# Altium PCB MCU021_V1.0_PCB.PcbDoc (part 1 of 3) (continued)
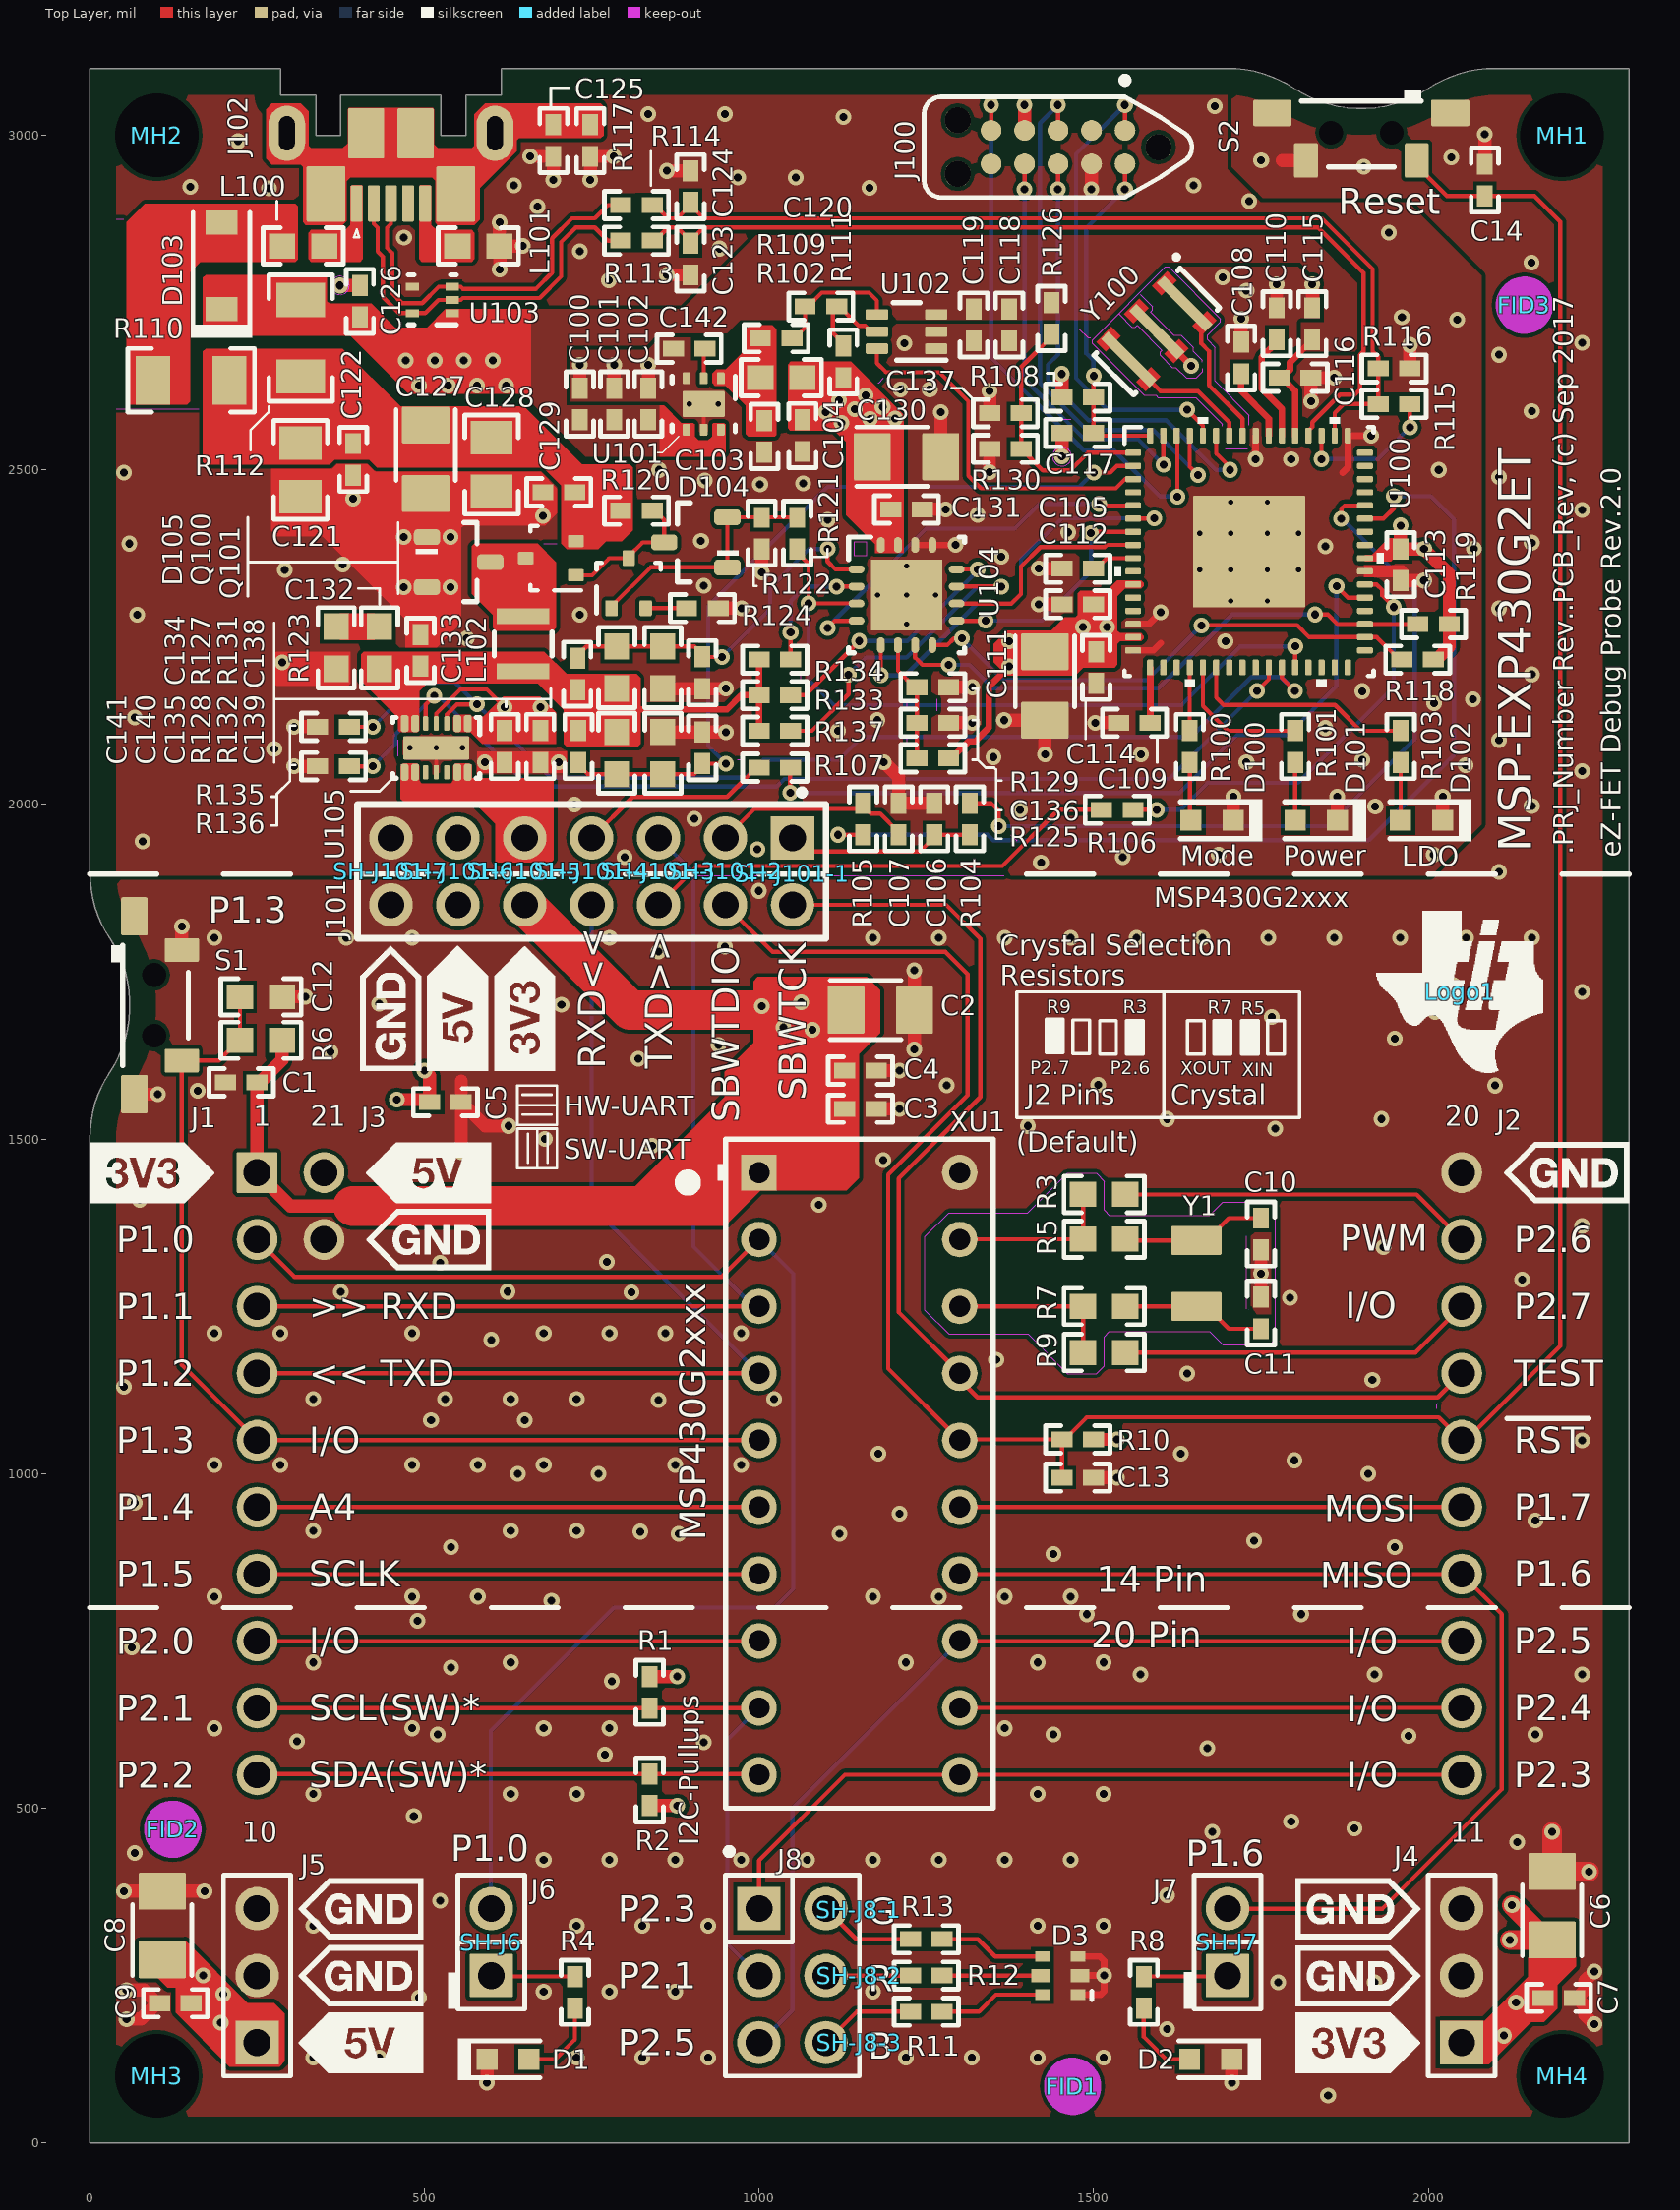
[diagram p0: Top Layer view]
## Footprints (in the part's own frame and the unit in brackets; to place one, negate y for a bottom-side part, rotate by r counter-clockwise, add the part's x,y. Pads: shape width x height; smd on the part's side, far side on the other; paste and mask are expansions set on the pad)
19-337_RGB [mm] "SMD, 6-Leads, Body 1.6x1.6mm"
  rect 0.55x0.4 smd: 1(-0.675,0.725) 3(-0.675,-0.725) 4(0.675,0.725) 6(0.675,-0.725)
  rect 0.7x0.5 smd: 2(-0.75,0) 5(0.75,0)
  silkscreen extent -1.2,0.6 -1.2,0.9, body extent -0.85,-0.85 0.85,0.85, height 0.35
0402 [mm] "0402 from SM-752 data"
  rect 0.8x0.6 smd: 1(-0.6,0) 2(0.6,0)
  silkscreen extent -1.22,-0.52 1.22,0.52, body extent -0.55,-0.3 0.55,0.3, height 0.6
0603 [mm] "0603 from SM-752 data"
  rect 1x0.95 smd: 1(-0.8,0) 2(0.8,0)
  silkscreen extent -1.52,-0.69 1.52,0.69, body extent -0.87,-0.47 0.87,0.47, height 1
0805_HV [mil] "0805 with 30mil clearance between pads"
  rect 50x63 smd: 1(-40,0) 2(40,0)
  silkscreen extent -74,-40 74,40, body extent -43,-29 43,29, height 57
1206 [mm] "1206 from SM-752 data"
  rect 1.3x1.85 smd: 1(-1.45,0) 2(1.45,0)
  silkscreen extent -2.4,-1.21 2.4,1.21, body extent -1.7,-0.9 1.7,0.9, height 1.35
3216-18 [mm] "Based on AVX recommendation in http://www.avx.com/download/software/literature/AVX-Footprint-Library.pdf"
  rrect7% 1.4x1.8 smd: 1(-1.3,0) 2(1.3,0)
  silkscreen extent -1.9,-1.13 0.8,1.12, body extent -1.7,-0.9 1.7,0.9, height 1.82
AssemblyNote [mil] "Assembly Note"
BoosterPack_20pin_J1 [mm] "Receptacle, 2.54mm, 10x1, TH"
  rrect6% 1.55x1.55 hole 1.02: 1(0,11.43)
  round 1.55 hole 1.02: 2(0,8.89) 3(0,6.35) 4(0,3.81) 5(0,1.27) 6(0,-1.27) 7(0,-3.81) 8(0,-6.35) 9(0,-8.89) 10(0,-11.43)
  silkscreen extent -1.21,-12.95 6.35,12.95, body extent -1.21,-12.95 1.21,12.95, height 8.51
BoosterPack_20pin_J2 [mm] "Receptacle, 2.54mm, 10x1, TH"
  round 1.55 hole 1.02: 11(0,-11.43) 12(0,-8.89) 13(0,-6.35) 14(0,-3.81) 15(0,-1.27) 16(0,1.27) 17(0,3.81) 18(0,6.35) 19(0,8.89) 20(0,11.43)
  silkscreen extent -6.35,-12.95 1.21,12.95, body extent -1.21,-12.95 1.21,12.95, height 8.51
BoosterPack_20pin_J3 [mm] "Receptacle, 2.54mm, 2x1, TH"
  round 1.55 hole 1.02: 21(0,1.27) 22(0,-1.27)
  silkscreen extent -6.35,-2.79 1.21,2.79, body extent -1.21,-2.79 1.21,2.79, height 8.51
CBC2518 [mm] "Taiyo Yuden"
  rect 0.6x2 smd: 1(-1.05,0) 2(1.05,0)
  silkscreen extent -0.45,-1.1 0.45,1.1, body extent -1.35,-1 1.35,1, height 2
CE_Mark_5mm [mil] "Minimum text height for CE Mark"
  silkscreen extent -138,-98 138,98
DCK0006A_N [mm] "SOT23, 6-Leads, Body 2x1.3mm, Pitch 0.65mm, Lead Span 2.1mm, IPC Medium Density"
  rrect25% 0.85x0.4 smd: 1(-1.125,0.65) 2(-1.125,0) 3(-1.125,-0.65) 4(1.125,-0.65) 5(1.125,0) 6(1.125,0.65)
  silkscreen extent -1.5,-1.09 0.51,1.09, body extent -1.14,-1 1.14,1, height 0.95
DPU0014A [mm] "SON-14"
  rrect67% 0.65x0.3 smd paste-0.05 mask-0.05: 1(-0.925,1.2) 2(-0.925,0.8) 6(-0.925,-0.8) 7(-0.925,-1.2) 8(0.925,-1.2) 9(0.925,-0.8) 13(0.925,0.8) 14(0.925,1.2)
  rrect50% 0.55x0.2 smd: 3(-0.925,0.4) 4(-0.925,0) 5(-0.925,-0.4) 10(0.925,-0.4) 11(0.925,0) 12(0.925,0.4)
  rrect12% 0.85x1.11 on Top Paste: 15(0,0.655) 15(0,-0.655)
  rrect11% 0.9x2.5 smd paste-0.5: 15(0,0)
  Top Layer region: -0.6,0.75 -0.6,1.25 -0.613,1.3 -0.65,1.337 -0.7,1.35 -0.7,1.35 -1.15,1.35 -1.188,1.342 -1.221,1.321 -1.242,1.288 -1.25,1.25 -1.25,1.25 -1.25,0.75 -1.242,0.712 -1.221,0.679 -1.188,0.658 -1.15,0.65 -1.15,0.65 -0.7,0.65 -0.662,0.658 -0.629,0.679 -0.608,0.712 -0.6,0.75
  Top Layer region: -0.6,-0.75 -0.6,-1.25 -0.613,-1.3 -0.65,-1.337 -0.7,-1.35 -0.7,-1.35 -1.15,-1.35 -1.188,-1.342 -1.221,-1.321 -1.242,-1.288 -1.25,-1.25 -1.25,-1.25 -1.25,-0.75 -1.242,-0.712 -1.221,-0.679 -1.188,-0.658 -1.15,-0.65 -1.15,-0.65 -0.7,-0.65 -0.662,-0.658 -0.629,-0.679 -0.608,-0.712 -0.6,-0.75
  Top Layer region: 0.6,-0.75 0.6,-1.25 0.613,-1.3 0.65,-1.337 0.7,-1.35 0.7,-1.35 1.15,-1.35 1.188,-1.342 1.221,-1.321 1.242,-1.288 1.25,-1.25 1.25,-1.25 1.25,-0.75 1.242,-0.712 1.221,-0.679 1.188,-0.658 1.15,-0.65 1.15,-0.65 0.7,-0.65 0.662,-0.658 0.629,-0.679 0.608,-0.712 0.6,-0.75
  Top Layer region: 0.6,0.75 0.6,1.25 0.613,1.3 0.65,1.337 0.7,1.35 0.7,1.35 1.15,1.35 1.188,1.342 1.221,1.321 1.242,1.288 1.25,1.25 1.25,1.25 1.25,0.75 1.242,0.712 1.221,0.679 1.188,0.658 1.15,0.65 1.15,0.65 0.7,0.65 0.662,0.658 0.629,0.679 0.608,0.712 0.6,0.75
  silkscreen extent -1.15,-1.65 1.15,1.65, body extent -1.05,-1.55 1.05,1.55, height 0.8
DRL0005A [mm] "SOTFL, 5-Flat Leads, Body 1.2x1.6x0.6mm, Pitch 0.5mm, TI recommended"
  rect 0.5x0.3 smd: 1(-0.75,0.5) 2(-0.75,0) 3(-0.75,-0.5) 4(0.75,-0.5) 5(0.75,0.5)
  silkscreen extent -0.9,-0.95 0.9,0.95, body extent -0.85,-0.85 0.85,0.85, height 0.62
DRV0006A [mm] "SON, 6-Leads, Body 2x2mm, Pitch 0.65mm, Thermal Pad 1.6x1mm, TI Recommended"
  rrect33% 0.45x0.3 smd: 1(-0.975,0.65) 2(-0.975,0) 3(-0.975,-0.65) 4(0.975,-0.65) 5(0.975,0) 6(0.975,0.65)
  rrect14% 1x0.7 on Top Paste: 7(0,0.45) 7(0,-0.45)
  rrect10% 1x1.6 smd paste-0.5: 7(0,0)
  silkscreen extent -1.05,-1.2 1.05,1.2, body extent -1.05,-1.05 1.05,1.05, height 0.81
ECS_ECX_31B [mm] "SMD, 2-Leads, Body 3.2x1.5mm"
  rrect9% 1.1x1.9 smd: 1(-1.25,0) 2(1.25,0)
  body extent -1.6,-0.75 1.6,0.75, height 0.9
ESD_Overlay_Medium [mil]
  silkscreen extent -127,-109 125,110
FCC_disclaimer [mil]
Fiducial6.4-20 [mil]
  round 25 smd mask+26.87: 1(0,0)
  Top Layer keep-out circle w46.37: c0,0 r19.68
KY_MAE-10 [mm] "Spacer Nylon Support"
  round 2.8 hole 3 unplated mask+0.102: ""(0,0)
  body extent -3.19,-2.75 3.19,2.75, height 10
Mill-Max_110-xx-320-41-001000 [mm] "DIP-20, Body 25.3x10.1mm, Pitch 2.54mm"
  rect 1.35x1.35 hole 0.8: 1(-3.81,11.43)
  round 1.35 hole 0.8: 2(-3.81,8.89) 3(-3.81,6.35) 4(-3.81,3.81) 5(-3.81,1.27) 6(-3.81,-1.27) 7(-3.81,-3.81) 8(-3.81,-6.35) 9(-3.81,-8.89) 10(-3.81,-11.43) 11(3.81,-11.43) 12(3.81,-8.89) 13(3.81,-6.35) 14(3.81,-3.81) 15(3.81,-1.27) 16(3.81,1.27) 17(3.81,3.81) 18(3.81,6.35) 19(3.81,8.89) 20(3.81,11.43)
  silkscreen extent -5.37,-12.7 5.08,12.7, body extent -5.08,-12.7 5.08,12.7, height 4.19
Molex_1051640001 [mm] "Receptacle, USB 2.0, Micro B, 5 Pos, 0.65mm Pitch, R/A, SMT"
  rrect22% 0.45x1.38 smd: 1(1.3,4.11) 2(0.65,4.11) 3(0,4.11) 4(-0.65,4.11) 5(-1.3,4.11)
  rrect7% 1.475x2.1 smd: 6(-2.462,3.75) 11(2.462,3.75)
  rrect100% 1.4x2.1 hole 0.6 slot 1.3 at 90 deg: 7(-3.95,1.45) 10(3.95,1.45)
  rrect7% 1.375x1.9 smd: 8(-0.937,1.45) 9(0.937,1.45)
  silkscreen extent 1.2,5.1 1.4,5.4, body extent -4.1,-0.7 4.1,4.47, height 2.45
Murata_CSTCR [mm] "Murata"
  rect 0.4x2.6 smd mask+0.051: 1(-1.5,0) 2(0,0) 3(1.5,0)
  Top Layer region: -1.9,0.8 -1.1,0.8 -1.1,1.3 -1.9,1.3
  Top Layer region: -0.4,0.8 0.4,0.8 0.4,1.3 -0.4,1.3
  Top Layer region: 1.1,0.8 1.9,0.8 1.9,1.3 1.1,1.3
  Top Layer region: -1.9,-1.35 -1.9,-0.85 -1.1,-0.85 -1.1,-1.35
  Top Layer region: -0.4,-1.35 -0.4,-0.85 0.4,-0.85 0.4,-1.35
  Top Layer region: -0.4,-1.35 -0.4,-0.85 0.4,-0.85 0.4,-1.35
  Top Layer region: -1.9,-1.35 -1.9,-0.85 -1.1,-0.85 -1.1,-1.35
  Top Layer region: 1.1,-1.35 1.1,-0.85 1.9,-0.85 1.9,-1.35
  Top Layer region: 1.1,-1.35 1.1,-0.85 1.9,-0.85 1.9,-1.35
  silkscreen extent -2.61,-1.56 2.32,1.08, body extent -2.3,-1.05 2.3,1.05, height 1.2
NPTH125mil [mil]
  round 120 hole 125 unplated mask+15: 1(0,0)
Pb-Free_Overlay_Medium [mil]
  silkscreen extent -95,-95 95,95
PEC03SAAN_Launchpad_3V3 [mm] "SULLINS"
  rect 1.65x1.65 hole 1.016: 1(-2.54,0)
  round 1.65 hole 1.016: 2(0,0) 3(2.54,0)
  silkscreen extent -3.81,-1.27 3.81,6.3, body extent -3.84,-1.3 3.84,1.3, height 8.38
PEC03SAAN_Launchpad_5V0 [mm] "SULLINS"
  rect 1.65x1.65 hole 1.016: 1(-2.54,0)
  round 1.65 hole 1.016: 2(0,0) 3(2.54,0)
  silkscreen extent -3.81,-6.31 3.81,1.27, body extent -3.84,-1.3 3.84,1.3, height 8.38
PEC07DAAN_Launchpad_EZ-FET [mil] "Sullins"
  rect 64.96x64.96 hole 40: 1(-300,-50)
  round 64.96 hole 40: 2(-300,50) 3(-200,-50) 4(-200,50) 5(-100,-50) 6(-100,50) 7(0,-50) 8(0,50) 9(100,-50) 10(100,50) 11(200,-50) 12(200,50) 13(300,-50) 14(300,50)
  silkscreen extent -350,-100 350,298, body extent -352,-103 352,103, height 330
RGC0064B [mm]
  rrect42% 0.6x0.24 smd mask+0.07: 1(-4.4,3.75) 2(-4.4,3.25) 3(-4.4,2.75) 4(-4.4,2.25) 5(-4.4,1.75) 6(-4.4,1.25) 7(-4.4,0.75) 8(-4.4,0.25) 9(-4.4,-0.25) 10(-4.4,-0.75) 11(-4.4,-1.25) 12(-4.4,-1.75) 13(-4.4,-2.25) 14(-4.4,-2.75) 15(-4.4,-3.25) 16(-4.4,-3.75) 33(4.4,-3.75) 34(4.4,-3.25) 35(4.4,-2.75) 36(4.4,-2.25) 37(4.4,-1.75) 38(4.4,-1.25) 39(4.4,-0.75) 40(4.4,-0.25) 41(4.4,0.25) 42(4.4,0.75) 43(4.4,1.25) 44(4.4,1.75) 45(4.4,2.25) 46(4.4,2.75) 47(4.4,3.25) 48(4.4,3.75)
  rrect42% 0.24x0.6 smd mask+0.07: 17(-3.751,-4.4) 18(-3.251,-4.4) 19(-2.751,-4.4) 20(-2.251,-4.4) 21(-1.75,-4.4) 22(-1.25,-4.4) 23(-0.75,-4.4) 24(-0.25,-4.4) 25(0.25,-4.4) 26(0.75,-4.4) 27(1.25,-4.4) 28(1.75,-4.4) 29(2.251,-4.4) 30(2.751,-4.4) 31(3.251,-4.4) 32(3.751,-4.4) 49(3.751,4.4) 50(3.251,4.4) 51(2.751,4.4) 52(2.251,4.4) 53(1.75,4.4) 54(1.25,4.4) 55(0.75,4.4) 56(0.25,4.4) 57(-0.25,4.4) 58(-0.75,4.4) 59(-1.25,4.4) 60(-1.75,4.4) 61(-2.251,4.4) 62(-2.751,4.4) 63(-3.251,4.4) 64(-3.751,4.4)
  rrect8% 1.19x1.19 on Top Paste: 65(-1.39,-1.39) 65(-1.39,0) 65(-1.39,1.39) 65(0,-1.39) 65(0,0) 65(0,1.39) 65(1.39,-1.39) 65(1.39,0) 65(1.39,1.39)
  rrect2% 4.25x4.25 smd paste-2.112: 65(0,0)
  silkscreen extent -5.1,-5.1 5.1,5.1, body extent -4.57,-4.57 4.57,4.57, height 1.01
RSA0016B [mm] "QFN, 16-Leads, Body 4x4mm, Pitch 0.65mm, Thermal Pad 2.7x2.7mm, TI Recommended"
  oval 0.6x0.3 smd: 1(-1.9,0.975) 2(-1.9,0.325) 3(-1.9,-0.325) 4(-1.9,-0.975) 9(1.9,-0.975) 10(1.9,-0.325) 11(1.9,0.325) 12(1.9,0.975)
  oval 0.3x0.6 smd: 5(-0.975,-1.9) 6(-0.325,-1.9) 7(0.325,-1.9) 8(0.975,-1.9) 13(0.975,1.9) 14(0.325,1.9) 15(-0.325,1.9) 16(-0.975,1.9)
  rect 2.7x2.7 smd paste-1.35: 17(0,0)
  Top Layer keep-out region: -2,1.5 -1.5,1.5 -1.5,2 -2,2
  silkscreen extent -2.2,-2.2 2.2,2.2, body extent -2.05,-2.05 2.05,2.05, height 1.01
SNT-100-BK-G [mil] "Samtec STEP model"
  round 1 on Mech3: 0(0,0)
  body extent -100,-50 100,50, height 344
SOD-123 [mm] "On Semi recommended land pattern"
  rect 0.915x1.22 smd: 1(-1.638,0) 2(1.638,0)
  silkscreen extent -2.74,-1.17 2.03,1.17, body extent -1.93,-0.9 1.93,0.9, height 1.35
SOT-23 [mm] "SOT23, 3-Leads, Body 2.9x1.3mm, Pitch 0.95mm, Lead Span 2.5mm, IPC Medium Density"
  rrect50% 1x0.6 smd: 1(-1.2,0.95) 2(-1.2,-0.95) 3(1.2,0)
  silkscreen extent -1.62,-1.5 0.7,1.5, body extent -1.16,-1.45 1.21,1.45, height 1
SOT-323 [mm] "Diodes Inc recommended land pattern.  2016-02-24"
  rrect21% 0.6x0.47 smd: 1(-0.95,0.65) 2(-0.95,-0.65) 3(0.95,0)
  silkscreen extent -1.14,-1.22 0.78,1.22, body extent -1.13,-1.13 1.12,1.12, height 1.13
SW_1188E [mm] "SMD, 4-Leads, Body 7.8x3.5mm"
  rrect10% 1x1.45 smd: 1(-1.1,3.375) 2(-1.1,-3.375)
  rrect11% 1.3x0.9 smd: 3(0.7,2.1) 4(0.7,-2.1)
  round 0 hole 0.9 unplated: ""(-0.35,-1.15) ""(-0.35,1.15)
  silkscreen extent -1.97,-2.28 0.95,2.28, body extent -2.55,-3.9 1.05,3.9, height 3.5
Tag_TC2050-NL [mil] "Footprint for Tag-Connect TC2050 No-Legs cables"
  round 31 smd paste-15.75: 1(-25,100) 2(-25,50) 3(-25,0) 4(-25,-50) 5(-25,-100) 6(25,-100) 7(25,-50) 8(25,0) 9(25,50) 10(25,100)
  round 39 hole 39 unplated: MH1(0,150) MH2(-40,-150) MH3(40,-150)
  silkscreen extent -105,-200 75,200
TI_Horizontal_Overlay_Medium [mil]
  silkscreen extent -750,-93 750,94
TI_Symbol_Overlay_Medium [mil]
  silkscreen extent -124,-121 125,120
TSW-102-07-G-S [mil] "Samtec 100mil, 1x2, 230 mil above insulator"
  rrect6% 64.96x64.96 hole 40: 1(-50,0)
  round 64.96 hole 40: 2(50,0)
  silkscreen extent -100,-50 100,65, body extent -100,-50 100,50, height 330
TSW-103-07-G-D [mil] "Samtec 100mil, 2x3, 230 mil above insulator"
  rect 64.96x64.96 hole 40: 1(-100,-50)
  round 64.96 hole 40: 2(-100,50) 3(0,-50) 4(0,50) 5(100,-50) 6(100,50)
  silkscreen extent -190,-100 150,100, body extent -150,-100 150,100, height 330
WL-SMCW_GREEN [mm] "WURTH"
  rect 0.8x0.8 smd: 1(-0.8,0) 2(0.8,0)
  silkscreen extent -1.9,-0.8 1.2,0.8, body extent -0.85,-0.45 0.85,0.45, height 0.8
WL-SMCW_RED [mm] "WURTH"
  rect 0.8x0.8 smd: 1(-0.8,0) 2(0.8,0)
  silkscreen extent -1.9,-0.8 1.2,0.8, body extent -0.85,-0.45 0.85,0.45, height 0.8
WL-SMCW_YELLOW [mm] "WURTH"
  rect 0.8x0.8 smd: 1(-0.8,0) 2(0.8,0)
  silkscreen extent -1.9,-0.8 1.2,0.8, body extent -0.85,-0.45 0.85,0.45, height 0.8

## Part data
C1 C4 C5 C133: library part C1005X5R1A104K050BA, "CAP, CERM, 0.1 µF, 10 V,+/- 10%, X5R, 0402", Cap_Case=0402, Manufacturer=TDK, Supplier Part Number 1=445-1265-1-ND, TempCo=X5R, Tolerance_%=10, Value1=Unknown, Value2=10V, ValueDisplayed=0.1µF, AEC Category=Q200, AEC Qualified=?, Cap_F=0.0000001, ComponentLink1Description="Datasheet link", ComponentLink1URL=http://product.tdk.com/en/catalog/datasheets/mlcc_commercial_general_en.pdf, CompType=Capacitor, Green_EU RoHS=Passed, Green_EU RoHS-2=Passed, Green_Lifecycle=NRND, Green_REACh=Passed, LatestRevisionDate=2017-05-28, MountType=SMT, PackageReference=0402, PartNumber=C1005X5R1A104K050BA, Polarized=N, Published=2008-06-19, Publisher="Texas Instruments", RoHS=Y, SizeArea_mm2=0.5, SizeAreaWB_mm2=3, SizeX_mm=1, SizeY_mm=0.5, SizeZ_mm=0.6, Supplier 1=Digi-Key, Supplier 2=Newark, Supplier 3=Mouser, Supplier Part Number 2=90R7585, Supplier Part Number 3=810-C1005X5R1A104K, SymbolVersion=2008-07-09, TaMax_C=85, TaMin_C=-55, Technology=Ceramic, U/M=EA, VDC_V=10
C2: library part 293D106X0010A2TE3, "CAP, TA, 10 µF, 10 V, +/- 20%, 3.4 ohm, SMD", Cap_Case=A, Manufacturer=Vishay-Sprague, Supplier Part Number 1=718-1118-1-ND, Tolerance_%=20, Value1="3.4 ohm", Value2=10V, ValueDisplayed=10µF, AEC Category=Q200, AEC Qualified=?, Cap_F=0.00001, ComponentLink1Description="Datasheet link", ComponentLink1URL=http://www.vishay.com/docs/40002/293d.pdf, CompType=Capacitor, ESR_ohm=3.4, IRMS_A=0.15, LatestRevisionDate=2017-03-13, LatestRevisionNote="Updated supplier links", MountType=SMT, PackageReference=3216-18, PartNumber=293D106X0010A2TE3, Polarized=Y, Publisher="Texas Instruments", RoHS=Y, Series=293D, SizeArea_mm2=5.12, SizeAreaWB_mm2=10.92, SizeX_mm=3.2, SizeY_mm=1.6, SizeZ_mm=1.8, Supplier 1=Digi-Key, Supplier 2=Newark, Supplier 3=Mouser, Supplier Part Number 2=09K5784, Supplier Part Number 3=74-293D106X0010A2TE3, SymbolVersion=2008-07-09, TaMax_C=125, TaMin_C=-55, Technology=TA, U/M=EA, VDC_V=10
C3 C100 C104 C112 C140: library part GRM155R61A105KE15D, "CAP, CERM, 1 µF, 10 V,+/- 10%, X5R, 0402", Cap_Case=0402, Manufacturer=MuRata, Supplier Part Number 1=490-3890-1-ND, TempCo=X5R, Tolerance_%=10, Value1=Unknown, Value2=10V, ValueDisplayed=1µF, AEC Category=Q200, AEC Qualified=?, Cap_F=0.000001, ComponentLink1Description="Datasheet link", ComponentLink1URL=http://search.murata.co.jp/Ceramy/PnsearchViewAction.do?HnOFG=ON&HnNFG=ON&SEL_CNT=50&sLang=en&sKey=GRM155R61A105KE15D&x=9&y=9&search=startwith, CompType=Capacitor, Green_EU RoHS=Passed, Green_EU RoHS-2=Incomplete, Green_Lifecycle=Active, Green_REACh=Passed, LatestRevisionDate=2017-05-28, MountType=SMT, PackageReference=0402, PartNumber=GRM155R61A105KE15D, Polarized=N, Published=2008-06-19, Publisher="Texas Instruments", RoHS=Y, SizeArea_mm2=0.5, SizeAreaWB_mm2=3, SizeX_mm=1, SizeY_mm=0.5, SizeZ_mm=0.6, Supplier 1=Digi-Key, Supplier 2=Mouser, Supplier 3=Farnell, Supplier Part Number 2=81-GRM155R61A105KE15, Supplier Part Number 3=1735523, SymbolVersion=2008-07-09, TaMax_C=85, TaMin_C=-55, Technology=Ceramic, U/M=EA, VDC_V=10
C6 C8 C127: library part 293D225X9025A2TE3, "CAP, TA, 2.2 µF, 25 V, +/- 10%, 6.3 ohm, SMD", Cap_Case=A, Manufacturer=Vishay-Sprague, Supplier Part Number 1=718-1134-1-ND, Tolerance_%=10, Value1="6.3 ohm", Value2=25V, ValueDisplayed=2.2µF, AEC Category=Q200, AEC Qualified=?, Cap_F=0.0000022, ComponentLink1Description="Datasheet link", ComponentLink1URL=http://www.vishay.com/docs/40002/293d.pdf, CompType=Capacitor, ESR_ohm=6.3, IRMS_A=0.11, LatestRevisionDate=2017-03-13, LatestRevisionNote="Updated supplier links", MountType=SMT, PackageReference=3216-18, PartNumber=293D225X9025A2TE3, Polarized=Y, Publisher="Texas Instruments", RoHS=Y, Series=293D, SizeArea_mm2=5.12, SizeAreaWB_mm2=10.92, SizeX_mm=3.2, SizeY_mm=1.6, SizeZ_mm=1.8, Supplier 1=Digi-Key, Supplier 2=Newark, Supplier 3=Mouser, Supplier Part Number 2=09K6176, Supplier Part Number 3=74-293D225X9025A2TE3, SymbolVersion=2008-07-09, TaMax_C=125, TaMin_C=-55, Technology=TA, U/M=EA, VDC_V=25
C7 C9 C102 C142: library part GRM155R71C103KA01D, "CAP, CERM, 0.01 µF, 16 V,+/- 10%, X7R, 0402", Cap_Case=0402, Manufacturer=MuRata, Supplier Part Number 1=490-1313-1-ND, TempCo=X7R, Tolerance_%=10, Value1=Unknown, Value2=16V, ValueDisplayed=0.01µF, AEC Category=Q200, AEC Qualified=?, Cap_F=0.00000001, ComponentLink1Description="Datasheet link", ComponentLink1URL=http://search.murata.co.jp/Ceramy/PnsearchViewAction.do?HnOFG=ON&HnNFG=ON&SEL_CNT=50&sLang=en&sKey=GRM155R71C103KA01D&x=9&y=9&search=startwith, CompType=Capacitor, Green_EU RoHS=Passed, Green_EU RoHS-2=Incomplete, Green_Lifecycle=Active, Green_REACh=Passed, LatestRevisionDate=2017-05-28, MountType=SMT, PackageReference=0402, PartNumber=GRM155R71C103KA01D, Polarized=N, Published=2008-06-19, Publisher="Texas Instruments", RoHS=Y, SizeArea_mm2=0.5, SizeAreaWB_mm2=3, SizeX_mm=1, SizeY_mm=0.5, SizeZ_mm=0.6, Supplier 1=Digi-Key, Supplier 2=Newark, Supplier 3=Mouser, Supplier Part Number 2=14T3279, Supplier Part Number 3=81-GRM36X103K16, SymbolVersion=2008-07-09, TaMax_C=125, TaMin_C=-55, Technology=Ceramic, U/M=EA, VDC_V=16
C10 C11: library part GRM1555C1H120JA01D, "CAP, CERM, 12 pF, 50 V,+/- 5%, C0G/NP0, 0402", Cap_Case=0402, Manufacturer=MuRata, Supplier Part Number 1=14T3292, TempCo=C0G/NP0, Tolerance_%=5, Value1=Unknown, Value2=50V, AEC Category=Q200, AEC Qualified=?, Cap_F=0.000000000012, ComponentLink1Description="Datasheet link", ComponentLink1URL=http://search.murata.co.jp/Ceramy/PnsearchViewAction.do?HnOFG=ON&HnNFG=ON&SEL_CNT=50&sLang=en&sKey=GRM1555C1H120JA01D&x=9&y=9&search=startwith, CompType=Capacitor, Green_EU RoHS=Passed, Green_EU RoHS-2=Incomplete, Green_Lifecycle=Active, Green_REACh=Passed, LatestRevisionDate=2017-06-01, MountType=SMT, PackageReference=0402, PartNumber=GRM1555C1H120JA01D, Polarized=N, Published=2008-06-19, Publisher="Texas Instruments", RoHS=Y, SizeArea_mm2=0.5, SizeAreaWB_mm2=3, SizeX_mm=1, SizeY_mm=0.5, SizeZ_mm=0.6, Supplier 1=Newark, Supplier 2=Mouser, Supplier 3=Farnell, Supplier Part Number 2=81-GRM1555C1H120JA1D, Supplier Part Number 3=1828875, SymbolVersion=2008-07-09, TaMax_C=125, TaMin_C=-55, Technology=Ceramic, U/M=EA, ValueDisplayed=12pF, VDC_V=50
C12: library part GRM188R71H102JA01D, "CAP, CERM, 1000 pF, 50 V,+/- 5%, X7R, 0603", Cap_Case=0603, Manufacturer=MuRata, Supplier Part Number 1=490-9733-1-ND, TempCo=X7R, Tolerance_%=5, Value1=Unknown, Value2=50V, AEC Category=Q200, AEC Grade=N/A, AEC Qualified=N, Cap_F=0.000000001, ComponentLink1Description="Datasheet link", ComponentLink1URL=http://psearch.murata.com/capacitor/product/GRM188R71H102JA01%23.pdf, CompType=Capacitor, LatestRevisionDate=2017-06-01, MountType=SMT, PackageReference=0603, PartNumber=GRM188R71H102JA01D, Polarized=N, Published=2008-06-19, Publisher="Texas Instruments", RoHS=Y, SizeArea_mm2=1.28, SizeAreaWB_mm2=4.68, SizeX_mm=1.6, SizeY_mm=0.8, SizeZ_mm=1, Supplier 1=Digi-Key, Supplier 2=Mouser, Supplier Part Number 2=81-GRM39X102J50D, SymbolVersion=2008-07-09, TaMax_C=125, TaMin_C=-55, Technology=Ceramic, U/M=EA, ValueDisplayed=1000pF, VDC_V=50
C13 C14 C117 C120: library part GRM155R71H102KA01D, "CAP, CERM, 1000 pF, 50 V,+/- 10%, X7R, 0402", Cap_Case=0402, Manufacturer=MuRata, Supplier Part Number 1=490-1303-1-ND, TempCo=X7R, Tolerance_%=10, Value1=Unknown, Value2=50V, AEC Category=Q200, AEC Qualified=?, Cap_F=0.000000001, ComponentLink1Description="Datasheet link", ComponentLink1URL=http://search.murata.co.jp/Ceramy/PnsearchViewAction.do?HnOFG=ON&HnNFG=ON&SEL_CNT=50&sLang=en&sKey=GRM155R71H102KA01D&x=9&y=9&search=startwith, CompType=Capacitor, Green_EU RoHS=Passed, Green_EU RoHS-2=Incomplete, Green_Lifecycle=Active, Green_REACh=Passed, MountType=SMT, PackageReference=0402, PartNumber=GRM155R71H102KA01D, Polarized=N, Published=2008-06-19, Publisher="Texas Instruments", RoHS=Y, SizeArea_mm2=0.5, SizeAreaWB_mm2=3, SizeX_mm=1, SizeY_mm=0.5, SizeZ_mm=0.6, Supplier 1=Digi-Key, Supplier 2=Newark, Supplier 3=Mouser, Supplier Part Number 2=14T3283, Supplier Part Number 3=81-GRM36X102K50, SymbolVersion=2008-07-09, TaMax_C=125, TaMin_C=-55, Technology=Ceramic, U/M=EA, ValueDisplayed=1000pF, VDC_V=50
  C13 C14 C117: LatestRevisionDate=2017-05-28
  C120: LatestRevisionDate=2017-06-12
C101 C105 C113 C114 C116 C118 C122 C126 C129 C131 C141: library part GRM155R61A104KA01D, "CAP, CERM, 0.1 µF, 10 V,+/- 10%, X5R, 0402", Cap_Case=0402, Manufacturer=MuRata, Supplier Part Number 1=490-1318-1-ND, TempCo=X5R, Tolerance_%=10, Value1=Unknown, Value2=10V, ValueDisplayed=0.1µF, AEC Category=Q200, AEC Qualified=?, Cap_F=0.0000001, ComponentLink1Description="Datasheet link", ComponentLink1URL=http://search.murata.co.jp/Ceramy/PnsearchViewAction.do?HnOFG=ON&HnNFG=ON&SEL_CNT=50&sLang=en&sKey=GRM155R61A104KA01D&x=9&y=9&search=startwith, CompType=Capacitor, Green_EU RoHS=Passed, Green_EU RoHS-2=Incomplete, Green_Lifecycle=Active, Green_REACh=Passed, LatestRevisionDate=2017-05-28, MountType=SMT, PackageReference=0402, PartNumber=GRM155R61A104KA01D, Polarized=N, Published=2008-06-19, Publisher="Texas Instruments", RoHS=Y, SizeArea_mm2=0.5, SizeAreaWB_mm2=3, SizeX_mm=1, SizeY_mm=0.5, SizeZ_mm=0.6, Supplier 1=Digi-Key, Supplier 2=Mouser, Supplier 3=Farnell, Supplier Part Number 2=81-GRM155R61A104KA01, Supplier Part Number 3=1828862, SymbolVersion=2008-07-09, TaMax_C=85, TaMin_C=-55, Technology=Ceramic, U/M=EA, VDC_V=10
C103: library part CMP-0006594-2, "CAP, CERM, 2.2 uF, 16 V, +/- 10%, X5R, 0402", Cap_Case=0402, Manufacturer=MuRata, PartNumber=GRM155R61C225KE11D, Supplier Part Number 1=490-10695-1-ND, TempCo=X5R, Tolerance_%=10%, Value1=Unknown, Value2=16V, AEC Category=Q200, AEC Grade=N/A, AEC Qualified=N, Cap_F=2.2µF, ComponentLink1Description="Datasheet link", ComponentLink1URL=http://psearch.en.murata.com/capacitor/product/GRM155R61C225KE11%23.pdf, CompType=Capacitor, LatestRevisionDate=2017-03-09, MountType=SMT, PackageReference=0402, Polarized=N, Published=2008-06-19, Publisher="Texas Instruments", RoHS=Y, SizeArea_mm2=0.5, SizeAreaWB_mm2=3, SizeX_mm=1, SizeY_mm=0.5, SizeZ_mm=0.6, Supplier 1=Digi-Key, Supplier 2=Mouser, Supplier Part Number 2=81-GRM155R61C225KE1D, TaMax_C=85°C, TaMin_C=-55°C, Technology=Ceramic, U/M=EA, ValueDisplayed=2.2uF, VDC_V=16V
C106 C107 C119 C123 C124: library part GRM1555C1H100FA01D, "CAP, CERM, 10 pF, 50 V,+/- 1%, C0G/NP0, 0402", Cap_Case=0402, Manufacturer=MuRata, Supplier Part Number 1=490-6186-1-ND, TempCo=C0G/NP0, Tolerance_%=1, Value1=Unknown, Value2=50V, AEC Category=Q200, AEC Grade=N/A, AEC Qualified=N, Cap_F=0.00000000001, ComponentLink1Description="Datasheet link", ComponentLink1URL=http://psearch.en.murata.com/capacitor/product/GRM1555C1H100FA01%23.pdf, CompType=Capacitor, LatestRevisionDate=2017-05-28, MountType=SMT, PackageReference=0402, PartNumber=GRM1555C1H100FA01D, Polarized=N, Published=2008-06-19, Publisher="Texas Instruments", RoHS=Y, SizeArea_mm2=0.5, SizeAreaWB_mm2=3, SizeX_mm=1, SizeY_mm=0.5, SizeZ_mm=0.6, Supplier 1=Digi-Key, Supplier 2=Mouser, Supplier Part Number 2=81-GRM1555C1H100FA1D, SymbolVersion=2008-07-09, TaMax_C=125, TaMin_C=-55, Technology=Ceramic, U/M=EA, ValueDisplayed=10pF, VDC_V=50